# Altium PCB AMP.PcbDoc (part 1 of 5) (continued)
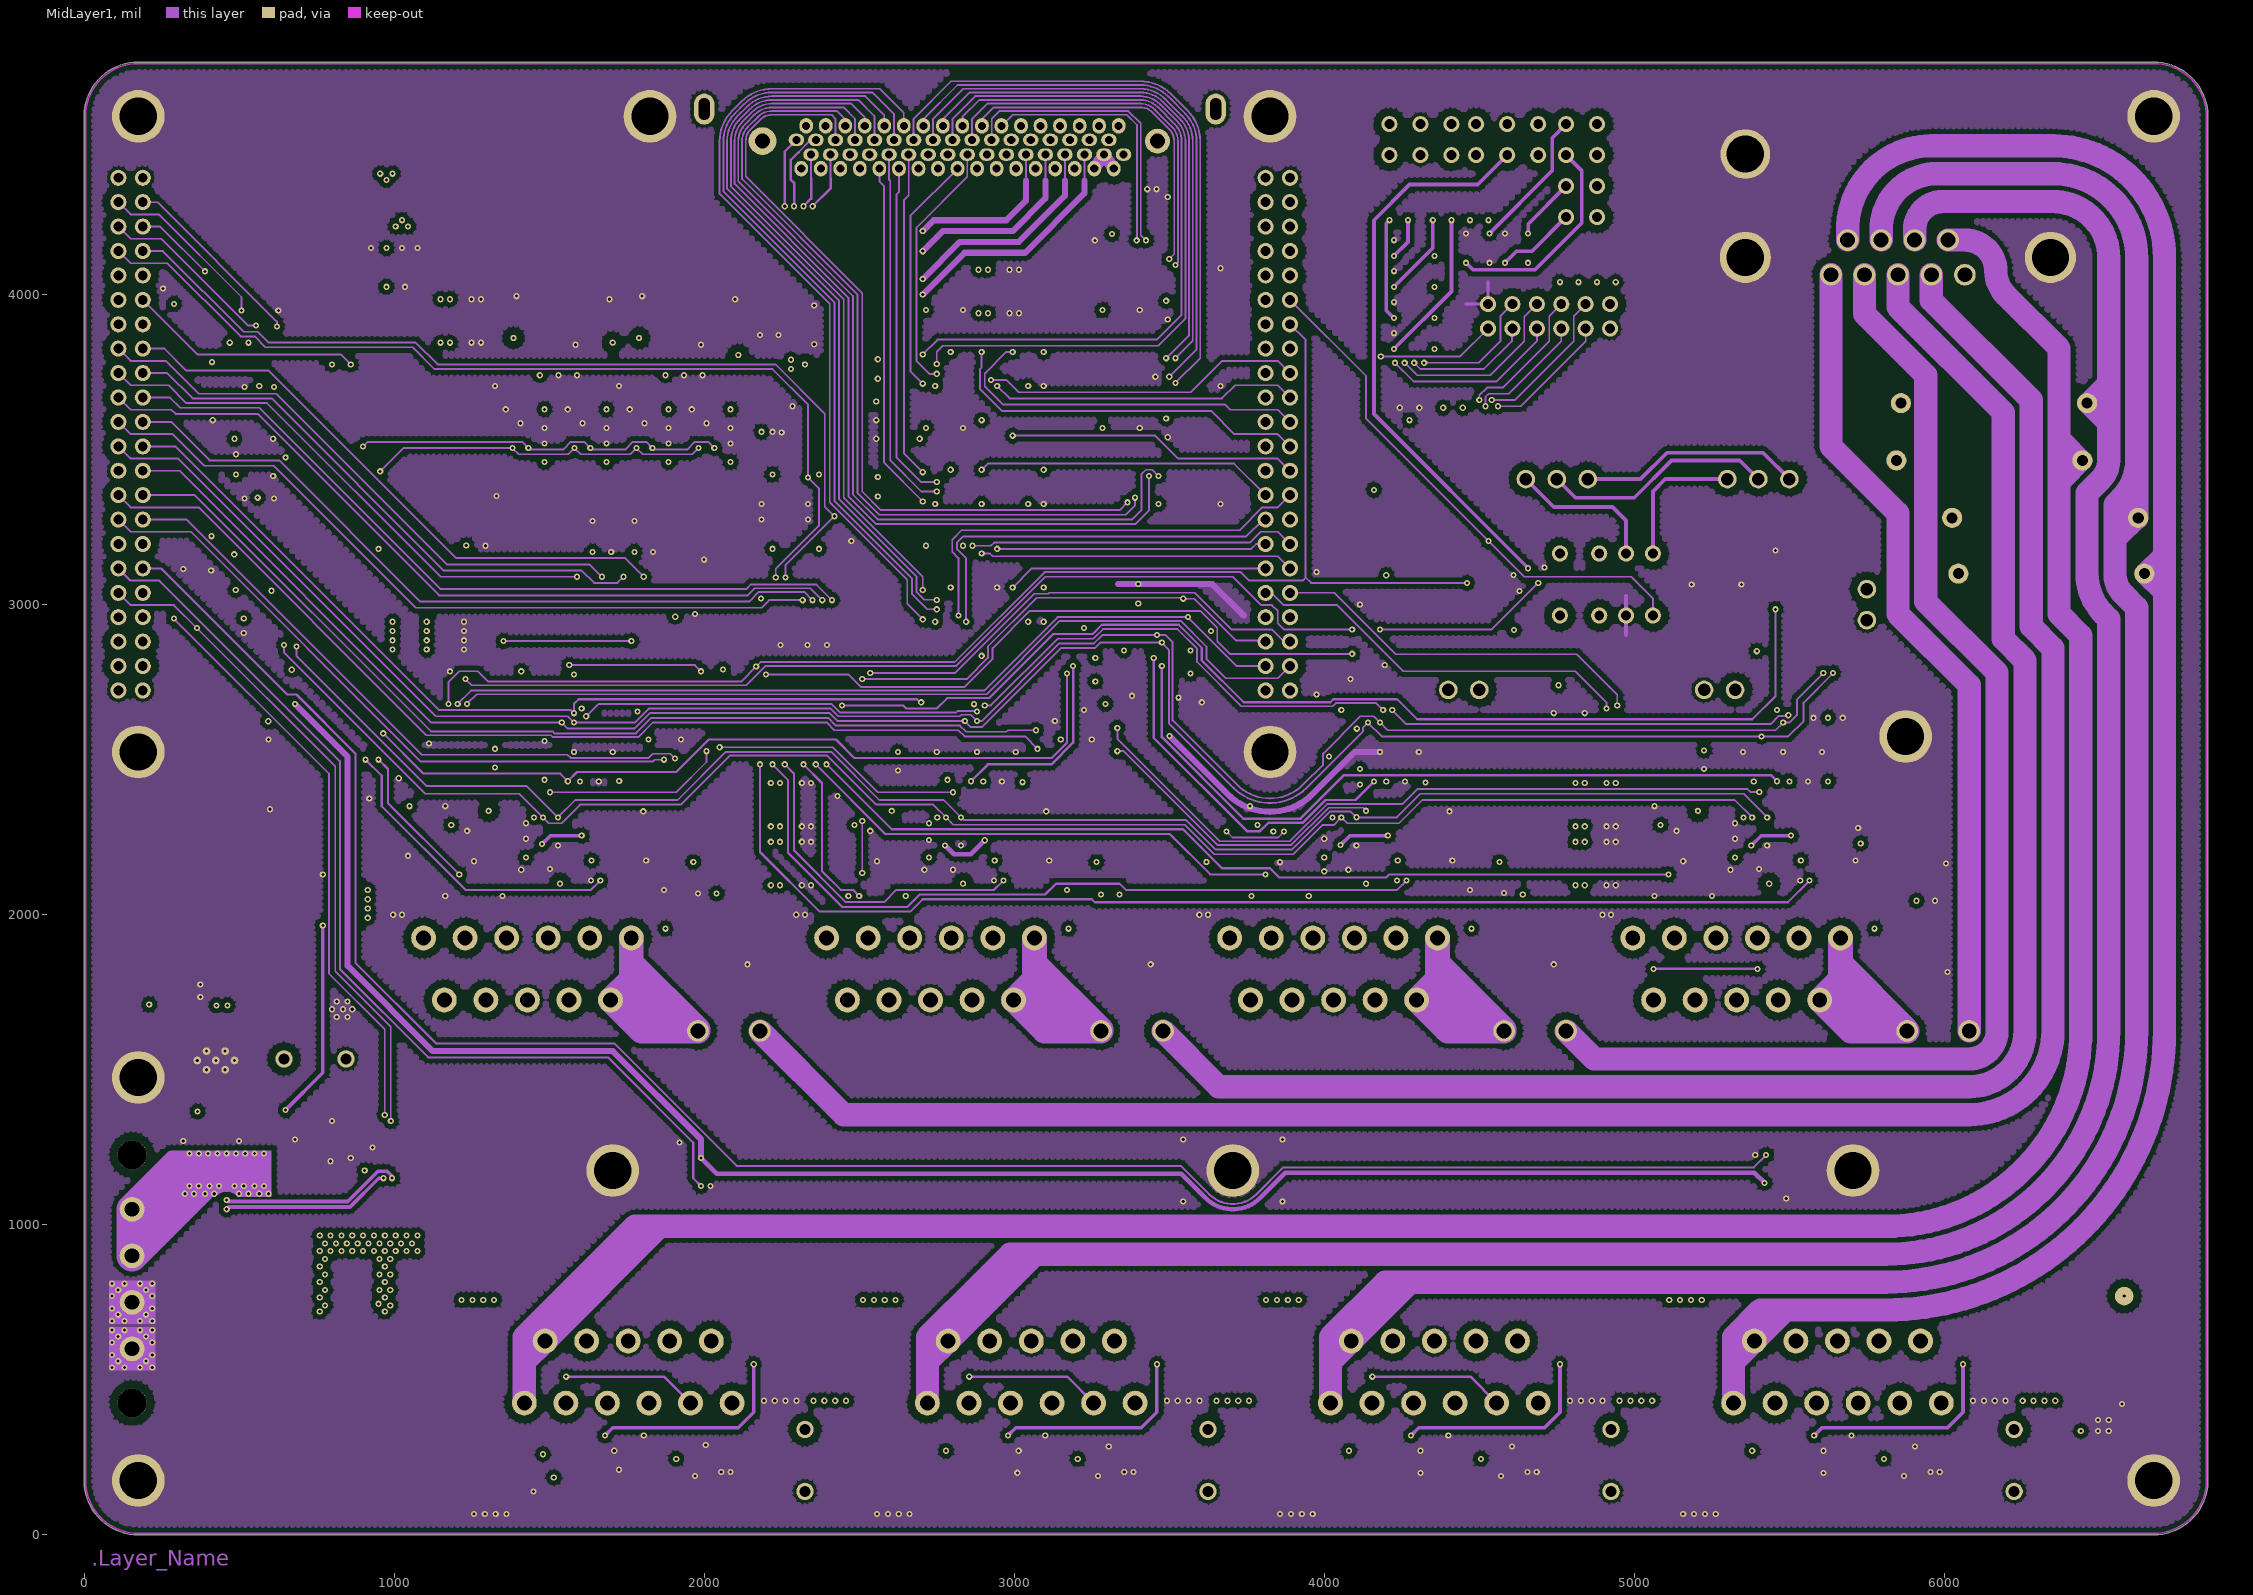
[diagram p3: MidLayer1]
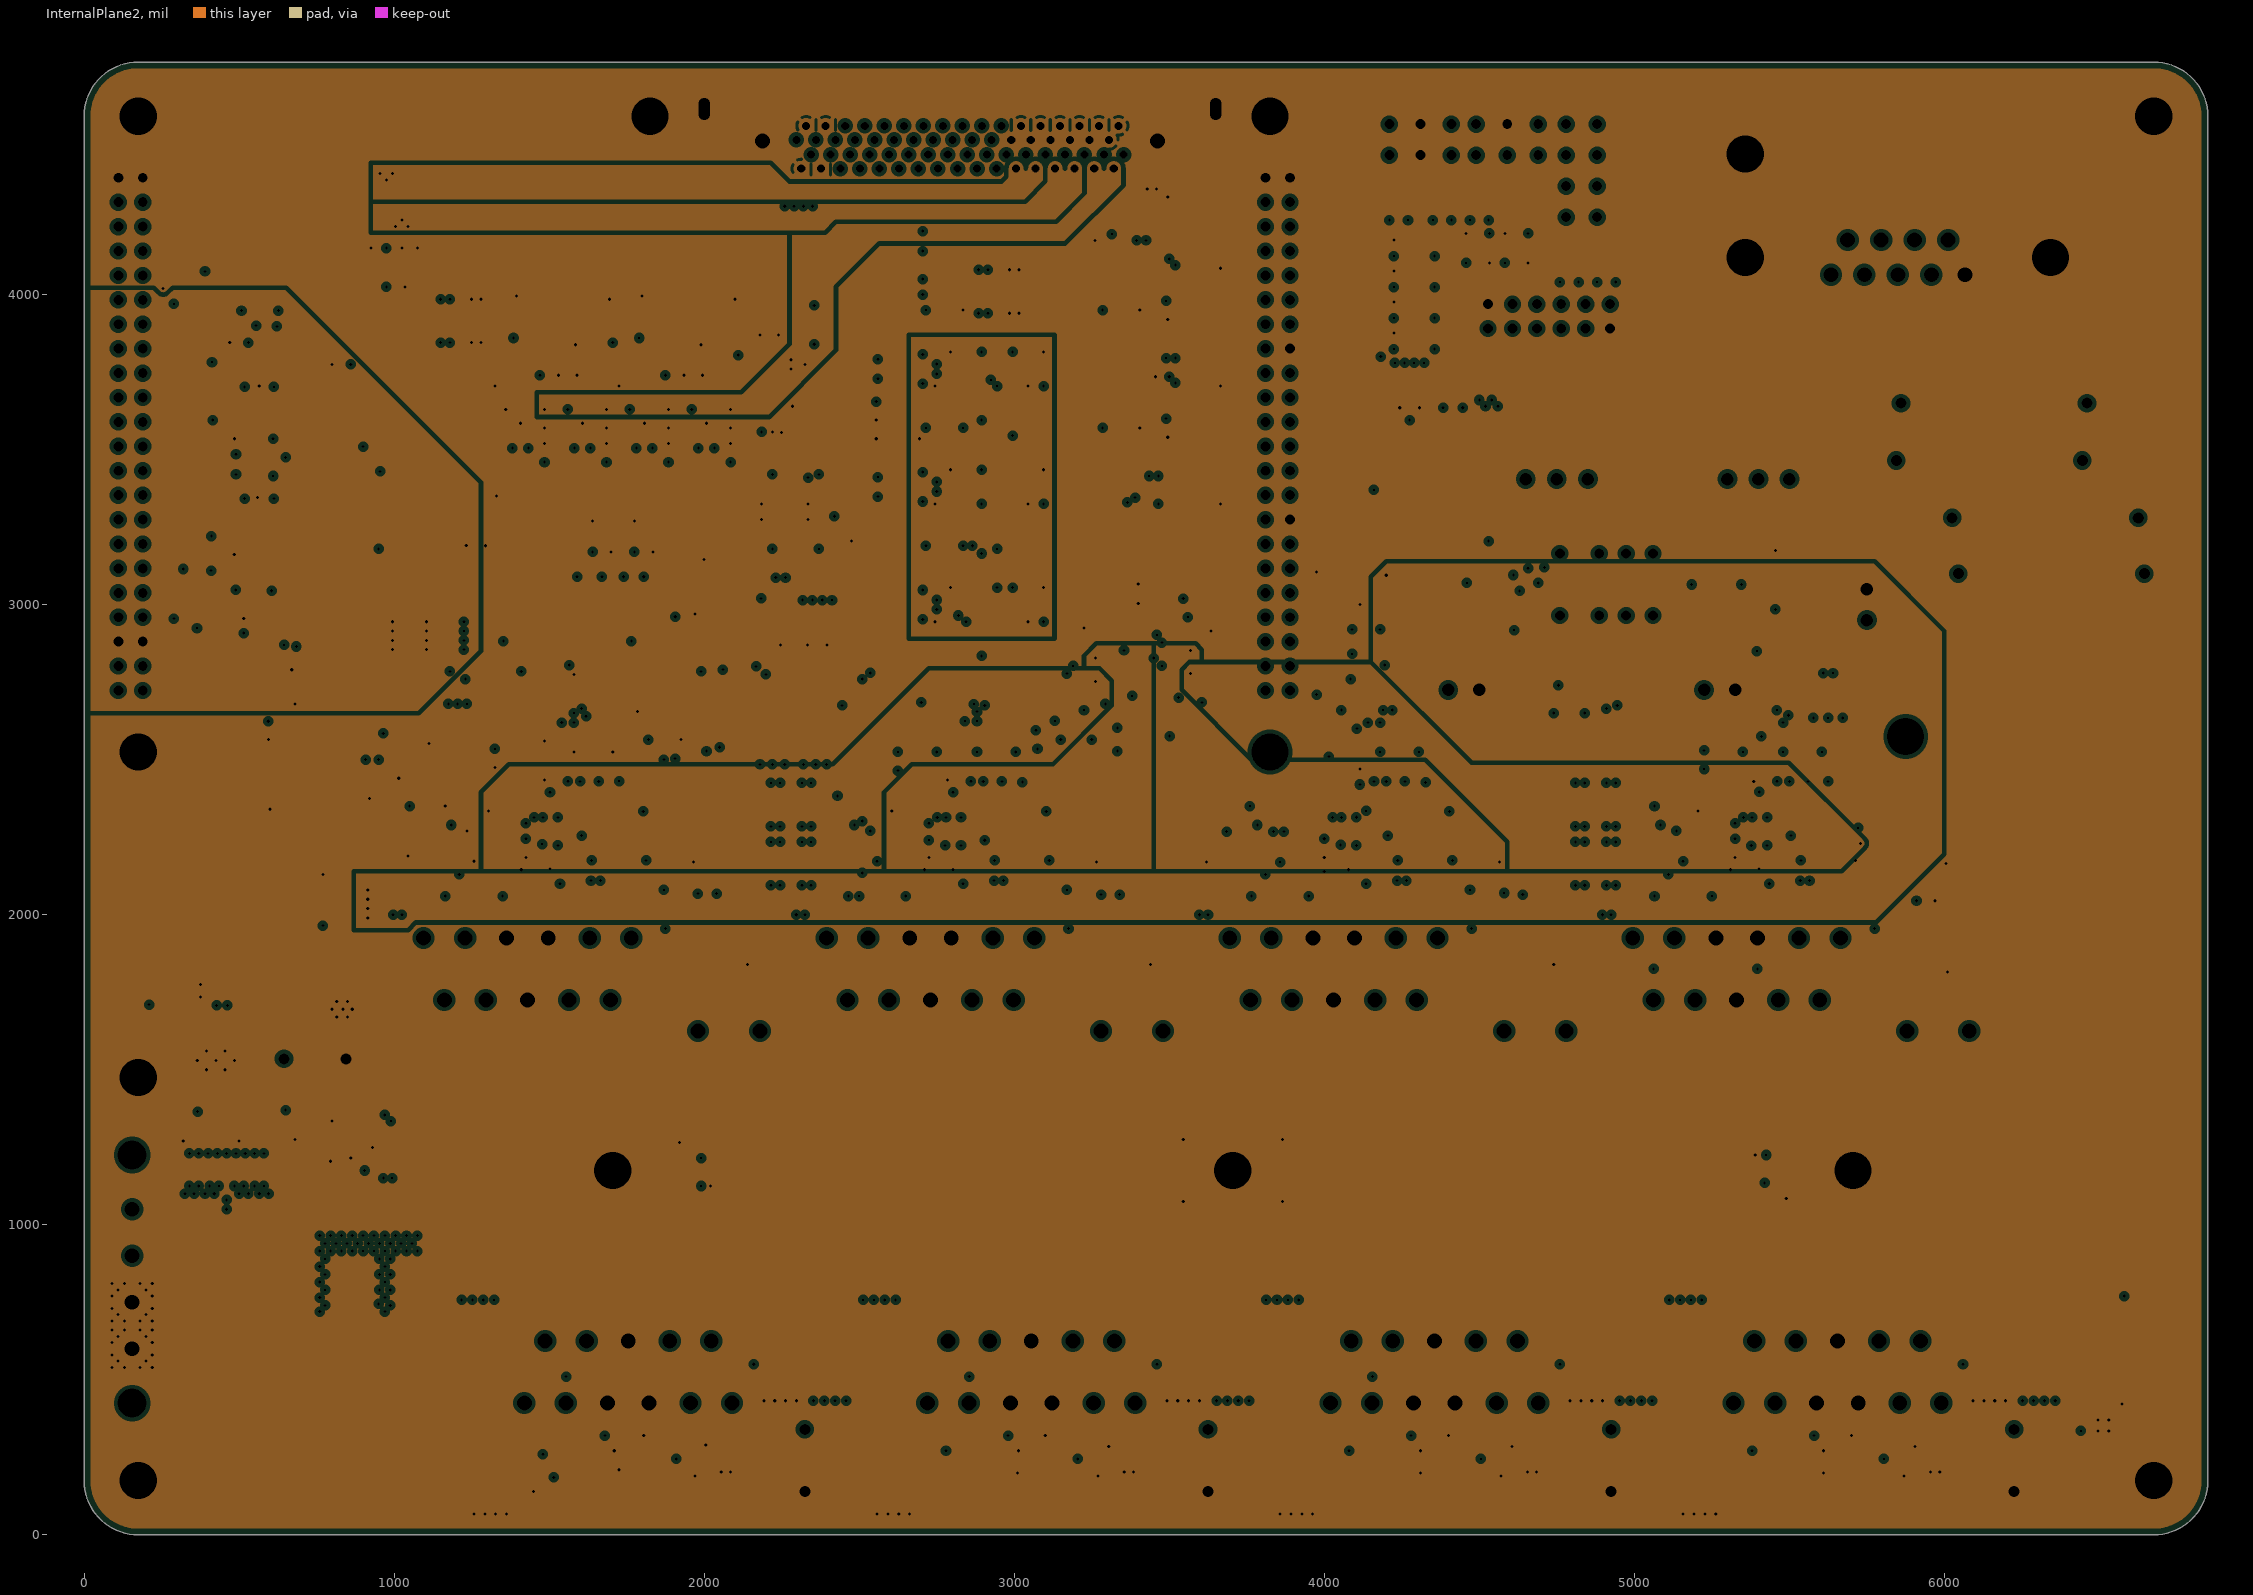
[diagram p4: InternalPlane2, clearances drawn from the general rule]
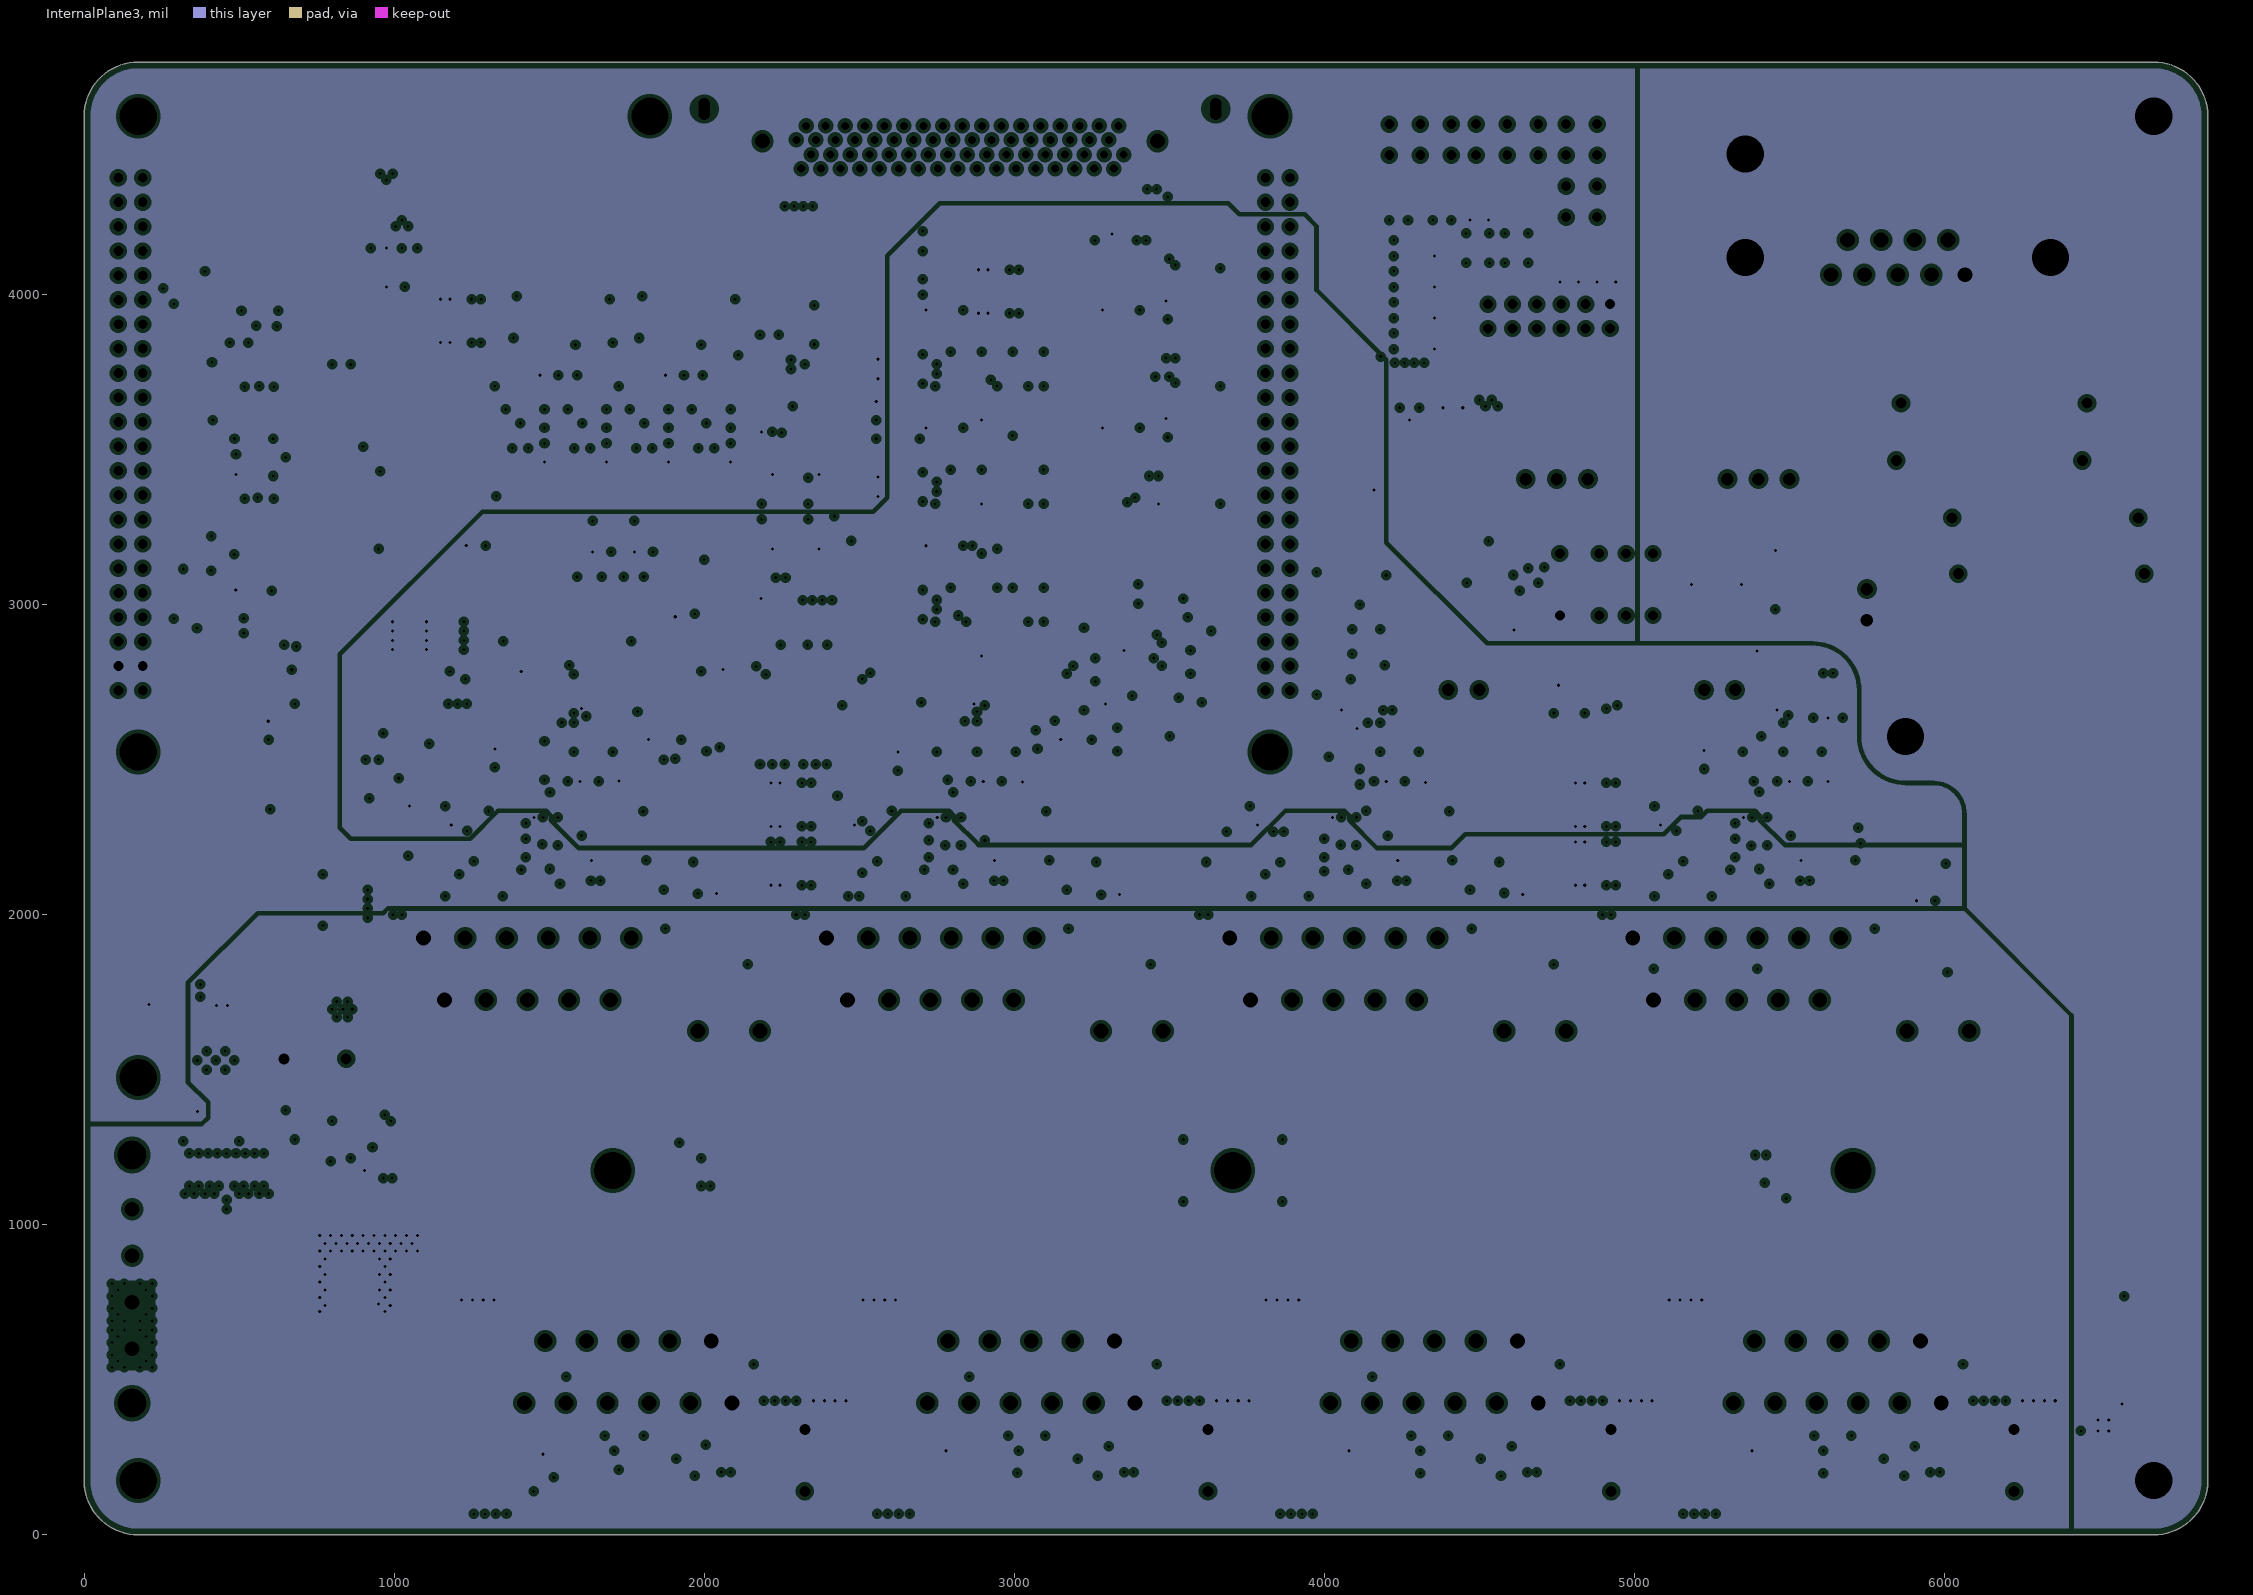
[diagram p5: InternalPlane3, clearances drawn from the general rule]
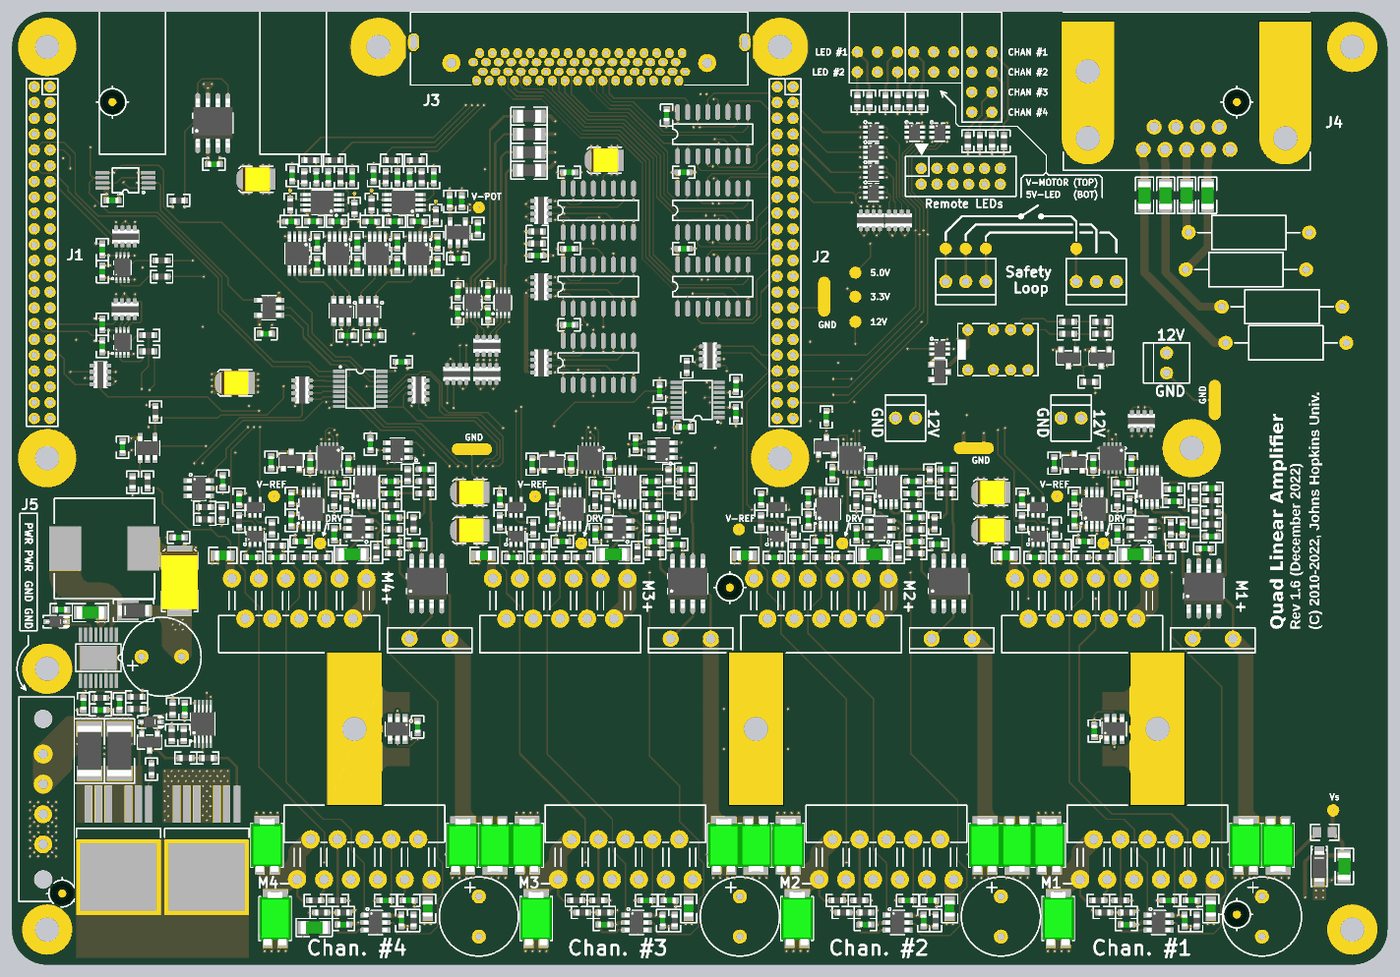
[diagram p10: 3D render of the assembled board from above, using the file's embedded part models]

## Layer stack, top to bottom
Top Solder: solder mask 0.4, Solder Resist, Dk 3.5
Top Layer: signal copper 1.4
Dielectric1: core 12.6, FR-4, Dk 4.8
InternalPlane1: plane copper 1.4, net GND
Dielectric3: prepreg 12.6, FR-4, Dk 4.8
MidLayer1: signal copper 1.4
Dielectric2: core 12.6, FR-4, Dk 4.8
InternalPlane2: plane copper 1.4, net (Multiple Nets)
Dielectric4: prepreg 12.6, FR-4, Dk 4.8
InternalPlane3: plane copper 1.4, net (Multiple Nets)
Dielectric5: core 12.6, FR-4, Dk 4.8
Bottom Layer: signal copper 1.4
Bottom Solder: solder mask 0.4, Solder Resist, Dk 3.5

## Board outline
0,175 0,4575 cw(c175,4575) 175,4750 6675,4750 cw(c6675,4575) 6850,4575 6850,175 cw(c6675,175) 6675,0 175,0 cw(c175,175)

## Design rules (kind name [scope] priority, off if disabled: settings)
Clearance ClearPolyPad [InPoly vs IsPadHoleValid] p1: gap=25 ignorepadtopadclearanceinfootprint=FALSE except(0: Arc-Hole Track-Hole SMDPad-Hole THPad-Hole Via-Hole Fill-Hole Poly-Hole Region-Hole Text-Hole)
Clearance ClearPoly [InPoly] p2: gap=15 ignorepadtopadclearanceinfootprint=FALSE except(0: Arc-Hole Track-Hole SMDPad-Hole THPad-Hole Via-Hole Fill-Hole Poly-Hole Region-Hole Text-Hole)
Clearance [All] p3: gap=6 ignorepadtopadclearanceinfootprint=FALSE except(0: Arc-Hole Track-Hole SMDPad-Hole THPad-Hole Via-Hole Fill-Hole Poly-Hole Region-Hole Text-Hole)
ComponentClearance [All] p1 off: gap=10 collisioncheckmode=3 verticalgap=10 showdistances=FALSE
FabricationTestPointUsage TestPointUsage [All] p1: valid=0 allowmultiple=FALSE
FabricationTestpoint Testpoint [All] p1: side=3 testpointundercomponent=TRUE minsize=40 maxsize=100 preferedsize=60 minholesize=0 maxholesize=40 preferedholesize=32 testpointgrid=1 allowsidetop=TRUE allowsidebottom=TRUE usegrid=TRUE gridtolerance=0.01
Height [All] p1 off: minheight=0 maxheight=1000 prefheight=500
HoleSize [All] p1: absolutevalues=TRUE maxlimit=250 minlimit=10 maxpercent=80.000 minpercent=20.000
HoleToHoleClearance [All] p1 off: gap=10 allowstackedmicrovias=TRUE
LayerPairs [All] p1 off: enforce=TRUE
MinimumSolderMaskSliver [All] p1 off: minsoldermaskwidth=10
NetAntennae [All] p1 off: netantennaetolerance=0
PlaneClearance PlaneClearanceBig [(AsMils(Hole)>100) Or InNet('V-MOTOR')] p1: clearance=20
PlaneClearance [All] p2: clearance=12
PlaneConnect PlaneMotorV [InNet('V-MOTOR') And (AsMils(Hole)=48)] p1: planeconnectstyle=Relief reliefexpansion=20 reliefentries=4 reliefconductorwidth=20 reliefairgap=15
PlaneConnect PlaneThermal [(AsMils(HoleDiameter)>29) And (AsMils(HoleDiameter)<50)] p2: planeconnectstyle=Relief reliefexpansion=20 reliefentries=4 reliefconductorwidth=10 reliefairgap=10
PlaneConnect [All] p3: planeconnectstyle=Direct reliefexpansion=20 reliefentries=4 reliefconductorwidth=10 reliefairgap=10
PolygonConnect PolygonConnect_1 [All vs (AsMils(Hole)>20) And (AsMils(Hole)<80)] p1: connectstyle=NoConnect reliefconductorwidth=15 reliefentries=4 polygonreliefangle="45 Angle" airgapwidth=10
PolygonConnect [All] p2: connectstyle=Direct reliefconductorwidth=10 reliefentries=4 polygonreliefangle="90 Angle" airgapwidth=10
RoutingVias [All] p1: holewidth=10 width=20 viastyle="Through Hole" minholewidth=10 minwidth=20 maxholewidth=10 maxwidth=20
SilkToSilkClearance [All] p1 off: silktosilkclearance=10
SilkToSolderMaskClearance SilkscreenOverComponentPads [IsPad] p1 off: minsilkscreentomaskgap=10 clearancetoexposedcopper=TRUE
SolderMaskExpansion [All] p1: expansion=2 istentingtop=FALSE
Width [All] p1: maxlimit=200 minlimit=6 preferedwidth=7 minimp=50.000000 maximp=50.000000 favimp=50.000000
17 further rules are at their usual default settings.

## Classes and differential pairs
channel class S09: U_S091 U_S092 U_S093 U_S094

## Components (designator, comment, footprint, x,y, rotation, side; value= is the part's Value field where it differs from the comment)
C1 "0.047uF" C0603 1395,3935 r90 top
C2 "0.047uF" C0603 1695,3925 r90 top
C3 "0.047uF" C0603 1800,3935 r90 top
C4 "0.047uF" C0603 2100,3925 r90 top
C5 "1000pF" C0603 1390,3705 r180 top
C6 "1000pF" C0603 1620,3705 r180 top
C7 "1000pF" C0603 1790,3705 r180 top
C8 "1000pF" C0603 2025,3705 r180 top
C9 "0.01uF" C0603 2320,3670 r270 top
C10 "0.01uF" C0603 860,1275 r270 top
C11 "10uF" C0603 2240,3805 r90 top
C12 "10uF" C0603 2220,3520 r0 top
C13 "1.0uF" C0603 245,1770 r180 top
C14 "1.0uF" C0603 355,1300 r270 top
C15 "220pF" C0603 440,1270 r0 top
C16 "0.022uF" C0603 535,1300 r270 top
C17 "47uF" CAP-B#1 1215,3915 r0 top
C18 "47uF" CAP-B#2 2280,2165 r0 top
C19 "47uF" CAP-B#1 4875,2165 r0 top
C20 "150uF" CAP-B#1 2950,4010 r0 top
C21 "150uF" CAP-B#2 1110,2900 r0 top
C22 "150uF" CAP-B#1 2280,2355 r0 top
C23 "150uF" CAP-B#1 4875,2355 r0 top
C24 "2.2uF" C1206 390,1755 r180 top
C25 "68uF" CAP-D-43 835,1915 r270 top
C26 "220uF" CAP-10MM 745,1535 r0 top
C27 "0.1uF" C0603 1515,3925 r270 top
C28 "0.1uF" C0603 1575,3925 r270 top
C29 "0.1uF" C0603 1920,3925 r270 top
C30 "0.1uF" C0603 1980,3925 r270 top
C31 "0.1uF" C0603 500,3810 r0 top
C32 "0.1uF" C0603 1005,3990 r0 top
C33 "0.1uF" C0603 1500,3705 r0 top
C34 "0.1uF" C0603 1520,3600 r270 top
C35 "0.1uF" C0603 1520,3490 r90 top
C36 "0.1uF" C0603 1720,3600 r270 top
C37 "0.1uF" C0603 1720,3490 r90 top
C38 "0.1uF" C0603 1905,3705 r0 top
C39 "0.1uF" C0603 1920,3600 r270 top
C40 "0.1uF" C0603 1920,3490 r90 top
C41 "0.1uF" C0603 2120,3600 r270 top
C42 "0.1uF" C0603 2120,3490 r90 top
C43 "0.1uF" C0603 2180,3805 r90 top
C44 "0.1uF" C0603 1670,3135 r0 top
C45 "0.1uF" C0603 1805,3135 r0 top
C46 "0.1uF" C0603 2220,3355 r270 top
C47 "0.1uF" C0603 2370,3355 r270 top
C48 "0.1uF" C0603 2615,3535 r180 top
C49 "0.1uF" C0603 2775,3950 r0 top
C50 "0.1uF" C0603 2775,3570 r0 top
C51 "0.1uF" C0603 2775,3190 r0 top
C52 "0.1uF" C0603 3260,4235 r270 top
C53 "0.1uF" C0603 3345,3950 r0 top
C54 "0.1uF" C0603 3345,3570 r0 top
C55 "0.1uF" C0603 830,2130 r180 top
C56 "0.1uF" C0603 1050,2410 r90 top
C57 "0.1uF" C0603 1630,2400 r0 top
C58 "0.1uF" C0603 1785,2595 r90 top
C59 "0.1uF" C0603 2930,2400 r0 top
C60 "0.1uF" C0603 3105,2595 r90 top
C61 "0.1uF" C0603 4230,2400 r0 top
C62 "0.1uF" C0603 5530,2400 r0 top
C63 "0.1uF" C0603 5390,1165 r90 top
C64 "0.1uF" C0603 2020,1185 r270 top
C65A "1000pF" C0603 5095,2030 r180 top (schematic designator C65)
C65B "1000pF" C0603 3795,2030 r180 top (schematic designator C65)
C65C "1000pF" C0603 2495,2030 r180 top (schematic designator C65)
C65D "1000pF" C0603 1195,2030 r180 top (schematic designator C65)
C66A "1000pF" C0603 5340,2110 r180 top (schematic designator C66)
C66B "1000pF" C0603 4030,2110 r180 top (schematic designator C66)
C66C "1000pF" C0603 2740,2110 r180 top (schematic designator C66)
C66D "1000pF" C0603 1440,2110 r180 top (schematic designator C66)
C67A "1000pF" C0603 5550,200 r0 top (schematic designator C67)
C67B "1000pF" C0603 4250,200 r0 top (schematic designator C67)
C67C "1000pF" C0603 2950,200 r0 top (schematic designator C67)
C67D "1000pF" C0603 1650,200 r0 top (schematic designator C67)
C68A "1000pF" C0603 5875,320 r0 top (schematic designator C68)
C68B "1000pF" C0603 4575,320 r0 top (schematic designator C68)
C68C "1000pF" C0603 3275,320 r0 top (schematic designator C68)
C68D "1000pF" C0603 1975,320 r0 top (schematic designator C68)
C69A "0.01uF" C0603 5975,2135 r0 top (schematic designator C69)
C69B "0.01uF" C0603 4500,2110 r180 top (schematic designator C69)
C69C "0.01uF" C0603 3200,2110 r180 top (schematic designator C69)
C69D "0.01uF" C0603 1900,2110 r180 top (schematic designator C69)
C70A "0.01uF" C0603 5220,2030 r0 top (schematic designator C70)
C70B "0.01uF" C0603 3920,2030 r0 top (schematic designator C70)
C70C "0.01uF" C0603 2620,2030 r0 top (schematic designator C70)